# Altium PCB EBAZ4205.PcbDoc (part 1 of 6) (continued)
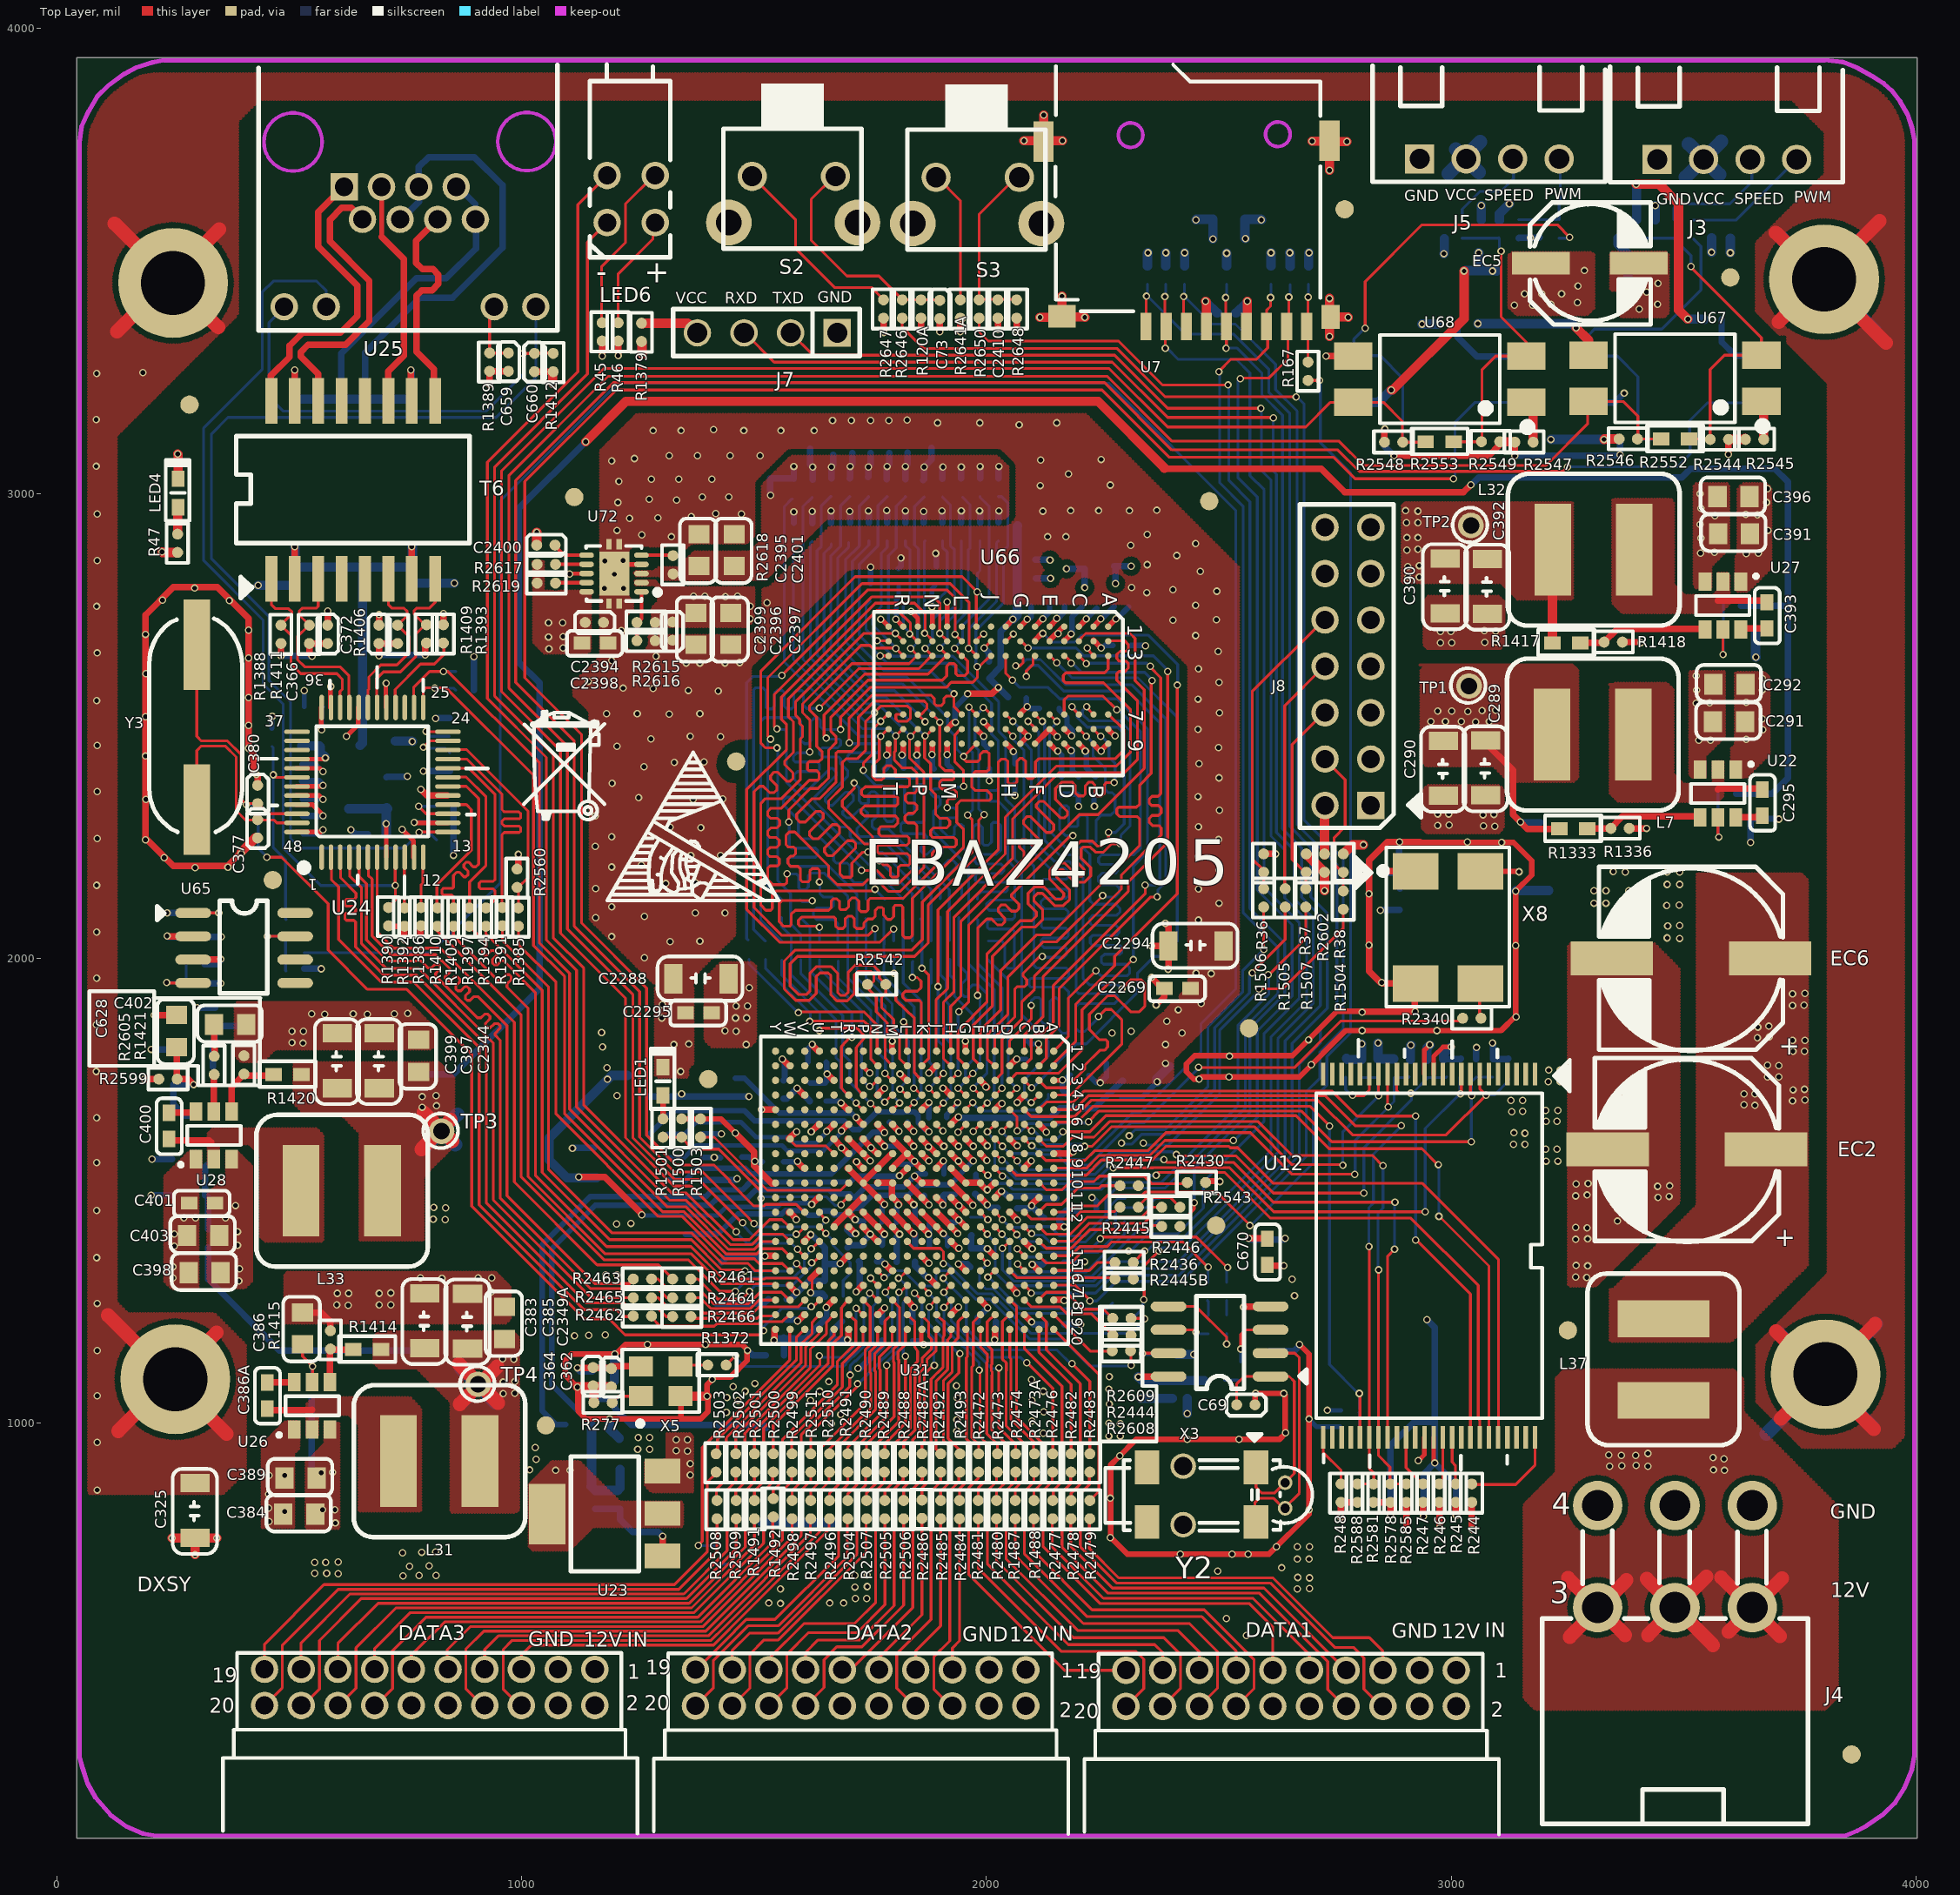
[diagram p0: Top Layer view]
## Components (designator, comment, footprint, x,y, rotation, side; value= is the part's Value field where it differs from the comment) (continued)
R2486 "22R 1%" 1 1861.22,795.28 r90 top
R2487 "NC" 1 1210.63,857.28 r270 bottom
R2487A "22R 1%" 1 1861.22,894.68 r90 top
R2488 "22R 1%" 1 1821.85,894.68 r90 top
R2489 "22R 1%" 1 1780.51,894.68 r90 top
R2490 "22R 1%" 1 1742.13,894.68 r90 top
R2491 "22R 1%" 1 1701.77,894.68 r90 top
R2492 "22R 1%" 1 1901.58,894.68 r90 top
R2493 "22R 1%" 1 1942.91,894.68 r90 top
R2496 "22R 1%" 1 1662.4,794.29 r90 top
R2497 "22R 1%" 1 1622.05,794.29 r90 top
R2498 "22R 1%" 1 1581.69,794.29 r90 top
R2499 "22R 1%" 1 1581.69,894.68 r90 top
R2500 "22R 1%" 1 1541.34,894.68 r90 top
R2501 "22R 1%" 1 1500.98,894.68 r90 top
R2502 "22R 1%" 1 1460.63,894.68 r90 top
R2503 "22R 1%" 1 1418.31,894.68 r90 top
R2504 "22R 1%" 1 1701.77,794.29 r90 top
R2505 "22R 1%" 1 1781.5,794.29 r90 top
R2506 "22R 1%" 1 1821.85,794.29 r90 top
R2507 "22R 1%" 1 1742.13,794.29 r90 top
R2508 "22R 1%" 1 1420.28,794.29 r90 top
R2509 "22R 1%" 1 1461.61,794.29 r90 top
R2510 "22R 1%" 1 1662.4,894.68 r90 top
R2511 "22R 1%" 1 1622.05,894.68 r90 top
R2512 "0R 1%" 1 2065.95,1462.6 r180 bottom
R2513 "10R 1%" 1 1600.39,1997.05 r90 bottom
R2514 "10R 1%" 1 1819.88,2087.6 r90 bottom
R2515 "10R 1%" 1 1599.41,2086.61 r90 bottom
R2516 "10R 1%" 1 1900.59,2088.58 r90 bottom
R2517 "10R 1%" 1 1524.61,1998.03 r90 bottom
R2518 "10R 1%" 1 1861.22,2088.58 r90 bottom
R2519 "10R 1%" 1 1701.77,2087.6 r90 bottom
R2520 "10R 1%" 1 1800.2,1998.03 r90 bottom
R2521 "10R 1%" 1 1680.12,1998.03 r90 bottom
R2522 "10R 1%" 1 1760.83,1998.03 r90 bottom
R2523 "10R 1%" 1 1741.14,2087.6 r90 bottom
R2524 "10R 1%" 1 1781.5,2087.6 r90 bottom
R2525 "10R 1%" 1 1840.55,1998.03 r90 bottom
R2526 "10R 1%" 1 1880.91,1998.03 r90 bottom
R2527 "10R 1%" 1 1961.61,1998.03 r90 bottom
R2528 "10R 1%" 1 1921.26,1998.03 r90 bottom
R2529 "10R 1%" 1 1981.3,2087.6 r90 bottom
R2530 "10R 1%" 1 2000.98,1999.02 r90 bottom
R2531 "10R 1%" 1 1940.95,2087.6 r90 bottom
R2532 "10R 1%" 1 1560.04,1996.06 r90 bottom
R2533 "10R 1%" 1 1559.06,2087.6 r90 bottom
R2534 "10R 1%" 1 1721.46,1998.03 r90 bottom
R2535 "10R 1%" 1 1489.17,1998.03 r90 bottom
R2536 "10R 1%" 1 1640.75,1997.05 r90 bottom
R2537 "1.2K 1%" 1 2066.93,2816.93 r0 bottom
R2538 "1.2K 1%" 1 2065.95,2933.07 r0 bottom
R2539 "20K 1%" 1 1965.55,1403.54 r90 bottom
R2540 "NC" 1 1691.93,1307.09 r180 bottom
R2541 "20K 1%" 1 1692.91,1274.61 r180 bottom
R2542 "80.5R 1%" 1 1744.09,1943.9 r0 top
R2543 "NC" 1 2376.97,1464.57 r0 top
R2544 "10K 1%" 1 3557.09,3116.14 r0 top
R2545 "10K 1%" 1 3632.87,3116.14 r0 top
R2546 "10K 1%" 1 3361.22,3117.13 r0 top
R2547 "10K 1%" 1 3136.81,3110.24 r0 top
R2548 "10K 1%" 1 2856.3,3110.24 r0 top
R2549 "10K 1%" 1 3064.96,3111.22 r0 top
R2551 "1K 1%" 1 3542.32,3375 r0 bottom
R2552 "NC" 7 3451.77,3117.13 r0 top
R2553 "NC" 7 2944.88,3111.22 r0 top
R2554 "NC" 7 3512.8,3116.14 r180 bottom
R2556 "10K 1%" 1 2856.3,3110.24 r0 bottom
R2557 "NC" 7 3007.87,3110.24 r180 bottom
R2558 "1M 5%" 43 3614.17,1604.33 r180 bottom
R2559 "1M 5%" 43 3610.24,1313.98 r180 bottom
R2560 "4.7K 1%" 1 990.16,2152.56 r90 top
R2577 "NC" 1 2802.17,1027.56 r180 bottom
R2578 "20K 1%" 1 2869.09,829.72 r90 top
R2579 "NC" 1 2807.09,1743.11 r90 bottom
R2580 "NC" 1 2912.4,1743.11 r90 bottom
R2581 "NC" 1 2832.68,829.72 r90 top
R2582 "NC" 1 2983.27,1744.09 r90 bottom
R2583 "NC" 1 3089.57,1744.09 r90 bottom
R2584 "20K 1%" 1 2802.17,992.13 r180 bottom
R2585 "NC" 1 2903.54,829.72 r90 top
R2586 "20K 1%" 1 2842.52,1744.09 r90 bottom
R2587 "20K 1%" 1 2876.97,1743.11 r90 bottom
R2588 "20K 1%" 1 2798.23,829.72 r90 top
R2590 "20K 1%" 1 3053.15,1744.09 r90 bottom
R2598 "20K 1%" 1 2947.83,1743.11 r90 bottom
R2599 "10K 1%" 1 219.49,1740.16 r0 top
R2602 "0R 1%" 1 2727.36,2185.04 r90 top
R2603 "0R 1%" 1 3573.82,2354.33 r0 bottom
R2604 "0R 1%" 1 3585.63,2757.87 r0 bottom
R2605 "0R 1%" 1 338.58,1750 r90 top
R2608 "NC" 1 2270.67,1155.51 r0 top
R2609 "NC" 1 2271.65,1225.39 r0 top
R2615 "NC" 1 1248.03,2722.44 r0 top
R2616 "NC" 1 1248.03,2683.07 r0 top
R2617 "NC" 1 1033.46,2847.44 r0 top
R2618 "NC" 1 1325.79,2826.77 r90 top
R2619 "NC" 1 1033.46,2807.09 r0 top
R2621 "NC" 1 1902.56,2897.64 r90 bottom
R2622 "NC" 1 1705.71,2993.11 r90 bottom
R2623 "NC" 1 1866.14,2992.13 r90 bottom
R2624 "NC" 1 1865.16,2897.64 r90 bottom
R2625 "NC" 1 1666.34,2993.11 r90 bottom
R2626 "NC" 1 1825.79,2897.64 r90 bottom
R2627 "NC" 1 1585.63,2897.64 r90 bottom
R2628 "NC" 1 1825.79,2993.11 r90 bottom
R2629 "NC" 1 1585.63,2992.13 r90 bottom
R2630 "NC" 1 1786.42,2897.64 r90 bottom
R2631 "NC" 1 1747.05,2897.64 r90 bottom
R2632 "NC" 1 1625,2896.65 r90 bottom
R2633 "NC" 1 1706.69,2897.64 r90 bottom
R2634 "NC" 1 1786.42,2993.11 r90 bottom
R2635 "NC" 1 1625.98,2993.11 r90 bottom
R2636 "NC" 1 1905.51,2992.13 r90 bottom
R2637 "NC" 1 1665.35,2896.65 r90 bottom
R2638 "NC" 1 1943.57,2897.64 r90 bottom
R2639 "NC" 1 2025.59,2993.11 r90 bottom
R2640 "NC" 1 2025.59,2898.62 r90 bottom
R2641 "NC" 1 1986.22,2993.11 r90 bottom
R2641A "0R 1%" 1 1943.9,3376.97 r90 top
R2642 "NC" 1 1984.58,2897.64 r90 bottom
R2643 "NC" 1 1945.87,2993.11 r90 bottom
R2644 "NC" 1 1746.06,2993.11 r90 bottom
R2645 "4.7K 1%" 1 1750.98,2766.73 r90 bottom
R2646 "0R 1%" 1 1818.9,3376.97 r90 top
R2647 "0R 1%" 1 1778.54,3376.97 r90 top
R2648 "10K 1%" 1 2064.96,3376.97 r90 top
R2650 "0R 1%" 1 1984.25,3376.97 r90 top
R2800 "10K 1%" 1 340.55,1893.7 r270 bottom
R3555 "1K 1%" 1 2973.43,3366.14 r0 bottom
S2 "6*6*5MM" 32 1445.87,3582.68 r0 top
S3 "NC" 32 1841.54,3580.71 r0 top
T6 "BT16B03" 15 461.61,2815.94 r0 top
TP1 "3V3" 30 3038.39,2585.63 r0 top
TP2 "VDD_1V5" 30 3042.32,2931.1 r0 top
TP3 "1V8" 30 827.76,1627.95 r0 top
TP4 "1V9" 30 906.5,1083.66 r0 top
U7 "NC" 16 2343.5,3359.25 r0 top
U12 "W29N01HVSINA" 14 3180.12,1750.98 r0 top
U20 "MMBT3904/1AM" 41 321.85,1567.91 r180 bottom
U21 "MMBT3904/1AM" 41 250.98,1728.35 r90 bottom
U22 "J37I" 10 3612.2,2405.51 r0 top
U23 "NC" 26 1303.15,714.57 r0 top
U24 "IP101GA" 13 569.88,2217.52 r0 top
U25 "RJ45" 35 618.11,3659.45 r0 top
U26 "J37I" 10 510.83,986.22 r180 top
U27 "J37I" 10 3623.03,2810.04 r0 top
U28 "J37I" 10 299.21,1567.91 r180 top
U30 "ACOI" 41 1546.26,699.8 r180 bottom
U31 "XC7Z010-1CLG400I" BGA400X20 2144.69,1800.2 r270 top
U65 "SGM706-SYS8" 11 293.31,2097.44 r0 top
U66 "EM6GD16EWKG-12H" BGA256X16 2261.89,2713.48 r270 top
U67 "EL817" 17 3667.32,3197.83 r0 top
U68 "EL817" 17 3161.42,3195.87 r0 top
U69 "PC817" 17 3669.29,3295.28 r0 bottom
U70 "PC817" 17 3162.4,3295.28 r0 bottom
U72 "NC" 12 1257.87,2788.39 r0 top
X3 "NC" 11 2611.22,1100.39 r180 top
X5 "NC" 25 1256.89,1058.07 r0 top
X8 "33.333MHZ" 23 2923.23,2187.01 r0 top
Y2 "NC" 27 2579.72,904.53 r0 top
Y3 "25.000MHZ" 28 301.18,2319.88 r0 top

## Footprints (in the part's own frame and the unit in brackets; to place one, negate y for a bottom-side part, rotate by r counter-clockwise, add the part's x,y. Pads: shape width x height; smd on the part's side, far side on the other; paste and mask are expansions set on the pad)
1 [mm]
  round 0.6 smd: 1(0,0) 2(1,0)
  silkscreen extent -0.58,-0.58 1.57,0.6
2 [mm]
  rect 1x1.15 smd: 1(0,0) 2(1.75,0)
  silkscreen extent -0.92,-0.95 2.6,1.05
3 [mm]
  round 0.6 smd: 1(0,0) 2(0,1)
  silkscreen extent -0.58,-0.55 0.6,1.6
6 [mm]
  rect 0.9x0.7 smd: 1(0,0) 2(1.425,0)
  silkscreen extent -0.82,-0.7 2.22,0.67
7 [mm]
  rect 0.9x0.7 smd: 1(0,0) 2(1.525,0)
  silkscreen extent -0.77,-0.67 2.3,0.72
8 [mm]
  rect 0.7x0.9 smd: 1(0,-1.55) 2(0,0)
  silkscreen extent -0.67,-2.3 0.63,1.02
9 [mm]
  rect 1x1.6 smd: 1(0,0) 2(3,0)
  silkscreen extent -0.88,-1.2 3.77,1.22
10 [mm]
  rect 0.7x1 smd: 1(0,0) 2(-0.975,0) 3(-1.95,0) 4(-1.95,-2.6) 5(-0.975,-2.6) 6(0,-2.6)
  silkscreen extent -2.45,-1.83 0.9,0.38
11 [mm]
  oval 1.95x0.55 smd: 1(0,0) 2(0,-1.275) 3(0,-2.55) 4(0,-3.825) 5(5.575,-3.825) 6(5.575,-2.55) 7(5.575,-1.275) 8(5.575,0)
  silkscreen extent -1.97,-4.4 4.05,0.68
12 [mm]
  oval 0.8x0.3 smd: 1(0,0) 2(0,0.5) 3(0,1) 4(0,1.5) 5(0,2) 6(-3,2) 7(-3,1.5) 8(-3,1) 9(-3,0.5) 10(-3,0)
  rect 0.3x0.55 smd: 11(-1.775,-0.65) 12(-1.225,-0.65) 13(-1.225,2.6) 14(-1.775,2.6)
  rect 1.65x2.4 smd: 15(-1.475,1)
  silkscreen extent -3.03,-0.5 1.02,2.5
13 [mm]
  oval 0.25x1.4 smd: 1(0,0) 2(0.505,0) 3(1.009,0) 4(1.514,0) 5(2.018,0) 6(2.523,0) 7(3.027,0) 8(3.532,0) 9(4.036,0) 10(4.541,0) 11(5.045,0) 12(5.55,0) 25(5.55,8.175) 26(5.045,8.175) 27(4.541,8.175) 28(4.036,8.175) 29(3.532,8.175) 30(3.027,8.175) 31(2.523,8.175) 32(2.018,8.175) 33(1.514,8.175) 34(1.009,8.175) 35(0.505,8.175) 36(0,8.175)
  oval 1.4x0.25 smd: 13(6.9,1.375) 14(6.9,1.873) 15(6.9,2.37) 16(6.9,2.868) 17(6.9,3.366) 18(6.9,3.864) 19(6.9,4.361) 20(6.9,4.859) 21(6.9,5.357) 22(6.9,5.855) 23(6.9,6.352) 24(6.9,6.85) 37(-1.35,6.85) 38(-1.35,6.352) 39(-1.35,5.855) 40(-1.35,5.357) 41(-1.35,4.859) 42(-1.35,4.361) 43(-1.35,3.864) 44(-1.35,3.366) 45(-1.35,2.868) 46(-1.35,2.37) 47(-1.35,1.873) 48(-1.35,1.375)
  silkscreen extent -3.47,-2.25 9.08,10.4
14 [mm]
  rect 0.25x1.25 smd: 1(0,0) 2(-0.503,0) 3(-1.007,0) 4(-1.51,0) 5(-2.013,0) 6(-2.516,0) 7(-3.02,0) 8(-3.523,0) 9(-4.026,0) 10(-4.529,0) 11(-5.033,0) 12(-5.536,0) 13(-6.039,0) 14(-6.542,0) 15(-7.046,0) 16(-7.549,0) 17(-8.052,0) 18(-8.555,0) 19(-9.059,0) 20(-9.562,0) 21(-10.065,0) 22(-10.568,0) 23(-11.072,0) 24(-11.575,0) 25(-11.575,-19.85) 26(-11.072,-19.85) 27(-10.568,-19.85) 28(-10.065,-19.85) 29(-9.562,-19.85) 30(-9.059,-19.85) 31(-8.555,-19.85) 32(-8.052,-19.85) 33(-7.549,-19.85) 34(-7.046,-19.85) 35(-6.542,-19.85) 36(-6.039,-19.85) 37(-5.536,-19.85) 38(-5.033,-19.85) 39(-4.529,-19.85) 40(-4.026,-19.85) 41(-3.523,-19.85) 42(-3.02,-19.85) 43(-2.516,-19.85) 44(-2.013,-19.85) 45(-1.51,-19.85) 46(-1.007,-19.85) 47(-0.503,-19.85) 48(0,-19.85)
  silkscreen extent -11.95,-21.63 1.9,1.87
15 [mm]
  rect 0.65x2.5 smd: 1(0,0) 2(1.279,0) 3(2.557,0) 4(3.836,0) 5(5.114,0) 6(6.393,0) 7(7.671,0) 8(8.95,0) 9(8.95,9.725) 10(7.671,9.725) 11(6.393,9.725) 12(5.114,9.725) 13(3.836,9.725) 14(2.557,9.725) 15(1.279,9.725) 16(0,9.725)
  silkscreen extent -1.92,-1.05 10.82,7.8
16 [mm]
  rect 0.6x1.5 smd: 1(0,0) 2(1.097,0) 3(2.194,0) 4(3.291,0) 5(4.387,0) 6(5.484,0) 7(6.581,0) 8(7.678,0) 9(8.775,0)
  rect 1x1.3 smd: 10(10.075,0.525)
  rect 1.1x2.2 smd: 11(10.025,10.15) 12(-5.6,10.1)
  rect 1.5x1.25 smd: 13(-4.6,0.55)
  silkscreen extent -4.95,0.82 9.53,14.3
17 [mm]
  rect 2.1x1.5 smd: 1(0,0) 2(0,2.525) 3(-9.45,2.525) 4(-9.45,0)
  silkscreen extent -8,-1.54 0.25,3.67
21 [mm]
  rect 2x5 smd: 1(0,0) 2(4.45,0)
  silkscreen extent -2.45,-4.15 6.93,4.15
23 [mm]
  rect 2.5x2 smd: 1(0,0) 2(0,-6.125) 3(3.55,-6.125) 4(3.55,0)
  silkscreen extent -3.27,-7.4 5.12,1.3
24 [mm]
  rect 4.5x1.85 smd: 1(0,0) 2(-8.65,0)
  silkscreen extent -9.35,-5.05 0.7,5
25 [mm]
  rect 1.3x1.1 smd: 1(0,0) 2(0,1.625) 3(2.15,1.625) 4(2.15,0)
  silkscreen extent -1.02,-1.63 3.17,2.55
26 [mm]
  rect 1.95x1.35 smd: 1(0,0) 2(0,2.312) 3(0,4.625)
  rect 2x3.3 smd: 4(-6.3,2.275)
  silkscreen extent -5,-0.85 -1.3,5.43
27 [mm]
  rect 1.35x1.85 smd: 1(0,0) 2(0,-2.975) 3(-5.95,-2.975) 4(-5.95,0)
  round 1.4 hole 1: 5(-3.975,0.075) 6(-3.975,-3.125)
  round 0.8 hole 0.5: 7(1.6,-2.225) 8(1.6,-0.825)
  silkscreen extent -8.23,-3.45 3.09,1.83
28 [mm]
  rect 1.45x4.95 smd: 1(0,0) 2(0,9)
  silkscreen extent -2.6,-1.22 2.47,10.43
29 [mm]
  rect 3.15x1.25 smd: 1(0,0) 2(5.35,0)
  silkscreen extent -0.6,-3.35 6,3.32
30 [mm]
  round 1.4 hole 0.9: 1(0,0)
  silkscreen extent -1,-0.92 0.9,0.97
31 [mm]
  rect 1.6x1.6 / inner round 1.6 / far side rect 1.6x1.6 hole 1.1: 1(0,0)
  round 1.6 hole 1.1: 2(2.542,0) 3(5.083,0) 4(7.625,0)
  silkscreen extent -2.57,-1.25 10.15,5.07
32 [mm]
  round 2.5 hole 1.4: 1(0,0) 2(7.025,0)
  round 1.6 hole 1.1: 3(5.825,2.525) 4(1.275,2.525)
  silkscreen extent -0.3,-1.43 7.25,7.6
33 [mm]
  rect 1.5x1.5 / inner round 1.5 / far side rect 1.5x1.5 hole 1.1: 1(0,0)
  round 1.5 hole 1.1: 2(-2.55,0) 3(-5.1,0) 4(-7.65,0)
  silkscreen extent -8.97,-1.28 1.23,1.3
34 [mm]
  round 1.5 hole 1: 1(0,0) 2(0,2.575) 3(-2.625,2.575) 4(-2.625,0)
  silkscreen extent -3.58,-1.9 0.82,8.62
35 [mm]
  rect 1.5x1.5 / inner round 1.5 / far side rect 1.5x1.5 hole 1: 1(0,0)
  round 1.5 hole 1: 2(1,-1.775) 3(2.042,0) 4(3.058,-1.775) 5(4.083,0) 6(5.117,-1.775) 7(6.125,0) 8(7.175,-1.775) 9(10.475,-6.55) 10(8.2,-6.55) 11(-0.975,-6.55) 12(-3.275,-6.55)
  Keep-Out Layer circle w0.2: c-2.791,2.45 r1.591
  Keep-Out Layer circle w0.2: c9.984,2.475 r1.591
  silkscreen extent -4.67,-7.85 11.65,6.65
36 [mm]
  rect 1.5x1.5 hole 1: 1(0,0)
  round 1.5 hole 1: 2(-2.5,0) 3(0,2.533) 4(-2.5,2.533) 5(0,5.067) 6(-2.5,5.067) 7(0,7.6) 8(-2.5,7.6) 9(0,10.133) 10(-2.5,10.133) 11(0,12.667) 12(-2.5,12.667) 13(0,15.2) 14(-2.5,15.2)
  silkscreen extent -3.88,-1.23 2.75,16.45
37 [mm]
  round 1.5 hole 1: 1(0,0) 2(0,-1.975) 3(-2.006,0) 4(-2.006,-1.975) 5(-4.011,0) 6(-4.011,-1.975) 7(-6.017,0) 8(-6.017,-1.975) 9(-8.022,0) 10(-8.022,-1.975) 11(-10.028,0) 12(-10.028,-1.975) 13(-12.033,0) 14(-12.033,-1.975) 15(-14.039,0) 16(-14.039,-1.975) 17(-16.044,0) 18(-16.044,-1.975) 19(-18.05,0) 20(-18.05,-1.975)
  silkscreen extent -20.32,-8.97 2.33,0.9
38 [mm]
  round 2.7 hole 1.7: 1(0,0) 2(0,5.575) 3(-4.225,0) 4(-4.225,5.575) 5(-8.45,0) 6(-8.45,5.575)
  silkscreen extent -11.47,-11.83 3.05,4.2
39 [mm]
  rect 1.3x0.9 smd: 1(0,0) 2(0,-1.875)
  silkscreen extent -0.95,-2.6 0.88,0.65
40 [mm]
  rect 0.7x0.9 smd: 1(0,0) 2(0,-1.575)
  silkscreen extent -0.8,-2.22 0.7,0.77
41 [mm]
  rect 0.95x1.35 smd: 1(0,0) 2(1.875,0) 3(0.975,2.15)
  silkscreen extent -0.8,0.2 2.5,1.9
42 [mm]
  rect 2.75x3.85 smd: 1(0,0) 2(8.025,0)
  silkscreen extent -1.78,-3.08 9.95,3.03
43 [mm]
  rect 1.1x1.7 smd: 1(0,0) 2(3.025,0)
  silkscreen extent -0.85,-1.27 3.85,1.13
44 [mm]
  rect 1.1x1.7 smd: 1(0,0) 2(3.025,0)
  silkscreen extent -0.82,-1.27 3.82,1.12
BGA256X16 [mm]
  round 0.35 smd: A1(0,0) A2(0.8,0) A3(1.6,0) A7(4.8,0) A8(5.6,0) A9(6.4,0) B1(0,-0.8) B2(0.8,-0.8) B3(1.6,-0.8) B7(4.8,-0.8) B8(5.6,-0.8) B9(6.4,-0.8) C1(0,-1.6) C2(0.8,-1.6) C3(1.6,-1.6) C7(4.8,-1.6) C8(5.6,-1.6) C9(6.4,-1.6) D1(0,-2.4) D2(0.8,-2.4) D3(1.6,-2.4) D7(4.8,-2.4) D8(5.6,-2.4) D9(6.4,-2.4) E1(0,-3.2) E2(0.8,-3.2) E3(1.6,-3.2) E7(4.8,-3.2) E8(5.6,-3.2) E9(6.4,-3.2) F1(0,-4) F2(0.8,-4) F3(1.6,-4) F7(4.8,-4) F8(5.6,-4) F9(6.4,-4) G1(0,-4.8) G2(0.8,-4.8) G3(1.6,-4.8) G7(4.8,-4.8) G8(5.6,-4.8) G9(6.4,-4.8) H1(0,-5.6) H2(0.8,-5.6) H3(1.6,-5.6) H7(4.8,-5.6) H8(5.6,-5.6) H9(6.4,-5.6) J1(0,-6.4) J2(0.8,-6.4) J3(1.6,-6.4) J7(4.8,-6.4) J8(5.6,-6.4) J9(6.4,-6.4) K1(0,-7.2) K2(0.8,-7.2) K3(1.6,-7.2) K7(4.8,-7.2) K8(5.6,-7.2) K9(6.4,-7.2) L1(0,-8) L2(0.8,-8) L3(1.6,-8) L7(4.8,-8) L8(5.6,-8) L9(6.4,-8) M1(0,-8.8) M2(0.8,-8.8) M3(1.6,-8.8) M7(4.8,-8.8) M8(5.6,-8.8) M9(6.4,-8.8) N1(0,-9.6) N2(0.8,-9.6) N3(1.6,-9.6) N7(4.8,-9.6) N8(5.6,-9.6) N9(6.4,-9.6) P1(0,-10.4) P2(0.8,-10.4) P3(1.6,-10.4) P7(4.8,-10.4) P8(5.6,-10.4) P9(6.4,-10.4) R1(0,-11.2) R2(0.8,-11.2) R3(1.6,-11.2) R7(4.8,-11.2) R8(5.6,-11.2) R9(6.4,-11.2) T1(0,-12) T2(0.8,-12) T3(1.6,-12) T7(4.8,-12) T8(5.6,-12) T9(6.4,-12)
  silkscreen extent -0.8,-12.8 8.13,0.8
BGA400X20 [mm]
  round 0.4 smd: A1(0,0) A2(0.8,0) A3(1.6,0) A4(2.4,0) A5(3.2,0) A6(4,0) A7(4.8,0) A8(5.6,0) A9(6.4,0) A10(7.2,0) A11(8,0) A12(8.8,0) A13(9.6,0) A14(10.4,0) A15(11.2,0) A16(12,0) A17(12.8,0) A18(13.6,0) A19(14.4,0) A20(15.2,0) B1(0,-0.8) B2(0.8,-0.8) B3(1.6,-0.8) B4(2.4,-0.8) B5(3.2,-0.8) B6(4,-0.8) B7(4.8,-0.8) B8(5.6,-0.8) B9(6.4,-0.8) B10(7.2,-0.8) B11(8,-0.8) B12(8.8,-0.8) B13(9.6,-0.8) B14(10.4,-0.8) B15(11.2,-0.8) B16(12,-0.8) B17(12.8,-0.8) B18(13.6,-0.8) B19(14.4,-0.8) B20(15.2,-0.8) C1(0,-1.6) C2(0.8,-1.6) C3(1.6,-1.6) C4(2.4,-1.6) C5(3.2,-1.6) C6(4,-1.6) C7(4.8,-1.6) C8(5.6,-1.6) C9(6.4,-1.6) C10(7.2,-1.6) C11(8,-1.6) C12(8.8,-1.6) C13(9.6,-1.6) C14(10.4,-1.6) C15(11.2,-1.6) C16(12,-1.6) C17(12.8,-1.6) C18(13.6,-1.6) C19(14.4,-1.6) C20(15.2,-1.6) D1(0,-2.4) D2(0.8,-2.4) D3(1.6,-2.4) D4(2.4,-2.4) D5(3.2,-2.4) D6(4,-2.4) D7(4.8,-2.4) D8(5.6,-2.4) D9(6.4,-2.4) D10(7.2,-2.4) D11(8,-2.4) D12(8.8,-2.4) D13(9.6,-2.4) D14(10.4,-2.4) D15(11.2,-2.4) D16(12,-2.4) D17(12.8,-2.4) D18(13.6,-2.4) D19(14.4,-2.4) D20(15.2,-2.4) E1(0,-3.2) E2(0.8,-3.2) E3(1.6,-3.2) E4(2.4,-3.2) E5(3.2,-3.2) E6(4,-3.2) E7(4.8,-3.2) E8(5.6,-3.2) E9(6.4,-3.2) E10(7.2,-3.2) E11(8,-3.2) E12(8.8,-3.2) E13(9.6,-3.2) E14(10.4,-3.2) E15(11.2,-3.2) E16(12,-3.2) E17(12.8,-3.2) E18(13.6,-3.2) E19(14.4,-3.2) E20(15.2,-3.2) F1(0,-4) F2(0.8,-4) F3(1.6,-4) F4(2.4,-4) F5(3.2,-4) F6(4,-4) F7(4.8,-4) F8(5.6,-4) F9(6.4,-4) F10(7.2,-4) F11(8,-4) F12(8.8,-4) F13(9.6,-4) F14(10.4,-4) F15(11.2,-4) F16(12,-4) F17(12.8,-4) F18(13.6,-4) F19(14.4,-4) F20(15.2,-4) G1(0,-4.8) G2(0.8,-4.8) G3(1.6,-4.8) G4(2.4,-4.8) G5(3.2,-4.8) G6(4,-4.8) G7(4.8,-4.8) G8(5.6,-4.8) G9(6.4,-4.8) G10(7.2,-4.8) G11(8,-4.8) G12(8.8,-4.8) G13(9.6,-4.8) G14(10.4,-4.8) G15(11.2,-4.8) G16(12,-4.8) G17(12.8,-4.8) G18(13.6,-4.8) G19(14.4,-4.8) G20(15.2,-4.8) H1(0,-5.6) H2(0.8,-5.6) H3(1.6,-5.6) H4(2.4,-5.6) H5(3.2,-5.6) H6(4,-5.6) H7(4.8,-5.6) H8(5.6,-5.6) H9(6.4,-5.6) H10(7.2,-5.6) H11(8,-5.6) H12(8.8,-5.6) H13(9.6,-5.6) H14(10.4,-5.6) H15(11.2,-5.6) H16(12,-5.6) H17(12.8,-5.6) H18(13.6,-5.6) H19(14.4,-5.6) H20(15.2,-5.6) J1(0,-6.4) J2(0.8,-6.4) J3(1.6,-6.4) J4(2.4,-6.4) J5(3.2,-6.4) J6(4,-6.4) J7(4.8,-6.4) J8(5.6,-6.4) J9(6.4,-6.4) J10(7.2,-6.4) J11(8,-6.4) J12(8.8,-6.4) J13(9.6,-6.4) J14(10.4,-6.4) J15(11.2,-6.4) J16(12,-6.4) J17(12.8,-6.4) J18(13.6,-6.4) J19(14.4,-6.4) J20(15.2,-6.4) K1(0,-7.2) K2(0.8,-7.2) K3(1.6,-7.2) K4(2.4,-7.2) K5(3.2,-7.2) K6(4,-7.2) K7(4.8,-7.2) K8(5.6,-7.2) K9(6.4,-7.2) K10(7.2,-7.2) K11(8,-7.2) K12(8.8,-7.2) K13(9.6,-7.2) K14(10.4,-7.2) K15(11.2,-7.2) K16(12,-7.2) K17(12.8,-7.2) K18(13.6,-7.2) K19(14.4,-7.2) K20(15.2,-7.2) L1(0,-8) L2(0.8,-8) L3(1.6,-8) L4(2.4,-8) L5(3.2,-8) L6(4,-8) L7(4.8,-8) L8(5.6,-8) L9(6.4,-8) L10(7.2,-8) L11(8,-8) L12(8.8,-8) L13(9.6,-8) L14(10.4,-8) L15(11.2,-8) L16(12,-8) L17(12.8,-8) L18(13.6,-8) L19(14.4,-8) L20(15.2,-8) M1(0,-8.8) M2(0.8,-8.8) M3(1.6,-8.8) M4(2.4,-8.8) M5(3.2,-8.8) M6(4,-8.8) M7(4.8,-8.8) M8(5.6,-8.8) M9(6.4,-8.8) M10(7.2,-8.8) M11(8,-8.8) M12(8.8,-8.8) M13(9.6,-8.8) M14(10.4,-8.8) M15(11.2,-8.8) M16(12,-8.8) M17(12.8,-8.8) M18(13.6,-8.8) M19(14.4,-8.8) M20(15.2,-8.8) N1(0,-9.6) N2(0.8,-9.6) N3(1.6,-9.6) N4(2.4,-9.6) N5(3.2,-9.6) N6(4,-9.6) N7(4.8,-9.6) N8(5.6,-9.6) N9(6.4,-9.6) N10(7.2,-9.6) N11(8,-9.6) N12(8.8,-9.6) N13(9.6,-9.6) N14(10.4,-9.6) N15(11.2,-9.6) N16(12,-9.6) N17(12.8,-9.6) N18(13.6,-9.6) N19(14.4,-9.6) N20(15.2,-9.6) P1(0,-10.4) P2(0.8,-10.4) P3(1.6,-10.4) P4(2.4,-10.4) P5(3.2,-10.4) P6(4,-10.4) P7(4.8,-10.4) P8(5.6,-10.4) P9(6.4,-10.4) P10(7.2,-10.4) P11(8,-10.4) P12(8.8,-10.4) P13(9.6,-10.4) P14(10.4,-10.4) P15(11.2,-10.4) P16(12,-10.4) P17(12.8,-10.4) P18(13.6,-10.4) P19(14.4,-10.4) P20(15.2,-10.4) R1(0,-11.2) R2(0.8,-11.2) R3(1.6,-11.2) R4(2.4,-11.2) R5(3.2,-11.2) R6(4,-11.2) R7(4.8,-11.2) R8(5.6,-11.2) R9(6.4,-11.2) R10(7.2,-11.2) R11(8,-11.2) R12(8.8,-11.2) R13(9.6,-11.2) R14(10.4,-11.2) R15(11.2,-11.2) R16(12,-11.2) R17(12.8,-11.2) R18(13.6,-11.2) R19(14.4,-11.2) R20(15.2,-11.2) T1(0,-12) T2(0.8,-12) T3(1.6,-12) T4(2.4,-12) T5(3.2,-12) T6(4,-12) T7(4.8,-12) T8(5.6,-12) T9(6.4,-12) T10(7.2,-12) T11(8,-12) T12(8.8,-12) T13(9.6,-12) T14(10.4,-12) T15(11.2,-12) T16(12,-12) T17(12.8,-12) T18(13.6,-12) T19(14.4,-12) T20(15.2,-12) U1(0,-12.8) U2(0.8,-12.8) U3(1.6,-12.8) U4(2.4,-12.8) U5(3.2,-12.8) U6(4,-12.8) U7(4.8,-12.8) U8(5.6,-12.8) U9(6.4,-12.8) U10(7.2,-12.8) U11(8,-12.8) U12(8.8,-12.8) U13(9.6,-12.8) U14(10.4,-12.8) U15(11.2,-12.8) U16(12,-12.8) U17(12.8,-12.8) U18(13.6,-12.8) U19(14.4,-12.8) U20(15.2,-12.8) V1(0,-13.6) V2(0.8,-13.6) V3(1.6,-13.6) V4(2.4,-13.6) V5(3.2,-13.6) V6(4,-13.6) V7(4.8,-13.6) V8(5.6,-13.6) V9(6.4,-13.6) V10(7.2,-13.6) V11(8,-13.6) V12(8.8,-13.6) V13(9.6,-13.6) V14(10.4,-13.6) V15(11.2,-13.6) V16(12,-13.6) V17(12.8,-13.6) V18(13.6,-13.6) V19(14.4,-13.6) V20(15.2,-13.6) W1(0,-14.4) W2(0.8,-14.4) W3(1.6,-14.4) W4(2.4,-14.4) W5(3.2,-14.4) W6(4,-14.4) W7(4.8,-14.4) W8(5.6,-14.4) W9(6.4,-14.4) W10(7.2,-14.4) W11(8,-14.4) W12(8.8,-14.4) W13(9.6,-14.4) W14(10.4,-14.4) W15(11.2,-14.4) W16(12,-14.4) W17(12.8,-14.4) W18(13.6,-14.4) W19(14.4,-14.4) W20(15.2,-14.4) Y1(0,-15.2) Y2(0.8,-15.2) Y3(1.6,-15.2) Y4(2.4,-15.2) Y5(3.2,-15.2) Y6(4,-15.2) Y7(4.8,-15.2) Y8(5.6,-15.2) Y9(6.4,-15.2) Y10(7.2,-15.2) Y11(8,-15.2) Y12(8.8,-15.2) Y13(9.6,-15.2) Y14(10.4,-15.2) Y15(11.2,-15.2) Y16(12,-15.2) Y17(12.8,-15.2) Y18(13.6,-15.2) Y19(14.4,-15.2) Y20(15.2,-15.2)
  silkscreen extent -0.8,-16 16,0.8

## Free pads (board coordinates)
  round 236.22 hole 137.8: 1(3802.17,3460.63)
  round 236.22 hole 137.79: 2(3805.12,1105.31) 3(254.92,1094.49) 4(250,3452.76)
  round 39.37 smd far side: ""(238.19,404.53) ""(286.42,3187.99) ""(3603.35,3468.5) ""(3871.06,295.28)
  round 39.37 smd: ""(285.43,3190.94) ""(464.57,2168.31) ""(1052.17,995.08) ""(1113.19,2992.13) ""(1401.58,1740.16) ""(1461.61,2423.23) ""(2479.33,2983.27) ""(2494.09,1425.2) ""(2564.96,1849.41) ""(2770.67,3611.22) ""(3250.98,1199.8) ""(3600.39,3464.57) ""(3861.22,287.4)

## Via types
v1: diameter 16, hole 10, Top Layer to Bottom Layer, 1172 vias
v2: diameter 16, hole 10, Top Layer to Bottom Layer, tented both sides, 70 vias

## Nets (pads, with @x,y where several pads share a name; then routed paths per layer and width w, separated by ;. In a path a pad name is that pad's centre, name@x,y a point inside that pad or via, vN(x,y) a via of type N, cw(c..) or ccw(c..) an arc to the next point about the centre after c; other vN are vias at no path point)
#CE_0: R1359.1 U12.9 U31.E6 | length 1448.5
  Top Layer w6: v1@2000.98,1626.97 v1(2002.07,1626.97) U31.E6@2018.08,1642.98 ; v1@2270.67,1550.2 2271.65,1549.21 v1(2272.64,1549.21) 2358.28,1549.21 2358.53,1549.46 2523.37,1549.46 2618.11,1454.72 v1(2943.9,1454.72) ; v1(3019.69,1708.66) 3021.61,1710.59 U12.9@3021.61,1750.98
  Bottom Layer w6: v1(2002.07,1626.97) 2002.07,1624.9 2017.72,1609.25 2017.72,1555.12 2025.34,1547.5 2041.71,1547.5 2064.09,1525.12 2238.7,1525.12 2261.81,1548.23 v1@2269.69,1548.23 ; v1(2943.9,1454.72) 2943.9,1633.86 v1@3018.7,1708.66 ; v1@3018.7,1712.6 R1359.1@3018.7,1744.09
#RE_0: R2583.1 R2590.1 U12.8 U31.D5 | length 1303.5
  Top Layer w6: U31.D5@2049.73,1674.42 2065.95,1658.21 v1@2065.95,1626.97 ; v1@2219.49,1647.64 v1(2219.49,1648.62) 2242.28,1671.42 2677.01,1671.42 2743.11,1605.31 v1(3043.31,1605.31) ; U12.8@3041.42,1750.98 3041.42,1707.59 v1(3044.29,1704.72)
  Bottom Layer w6: v1(2065.95,1628.53) 2074.81,1628.53 2090.81,1644.53 2104.07,1644.53 2106.87,1641.73 2154.53,1641.73 2158.46,1645.67 v1@2219.49,1645.67 ; v1(3043.31,1605.31) 3043.31,1734.25 R2590.1@3053.15,1744.09 ; R2590.1@3055.12,1744.09 R2583.1@3089.57,1744.09
#WE_0: R2579.1 R2586.1 U12.18 U31.D6 | length 1124
  Top Layer w6: v1(2033.46,1627.95) 2048.49,1642.98 U31.D6@2049.73,1642.98 ; v1@2211.61,1590.55 2216.54,1595.47 2227.36,1595.47 2269.69,1637.79 2575.79,1637.79 2657.48,1556.1 2765.75,1556.1 v1(2766.73,1555.12) ; v1@2212,1593 v1@2212,1593.98 ; U12.18@2843.29,1750.98 2843.29,1704.94 v1(2843.5,1704.72)
  Bottom Layer w6: v1(2033.46,1627.95) 2033.46,1625.98 2046.91,1612.53 2059.42,1612.53 2104.17,1612.53 2117.3,1599.41 2180.13,1599.41 2180.38,1599.66 2204.47,1599.66 v1@2209.65,1594.49 ; v1(2766.73,1555.12) 2766.73,1626.97 2842.52,1702.76 R2586.1@2842.52,1744.09 ; R2579.1@2807.09,1743.11 R2586.1@2840.55,1743.11
  other v1: 2211.61,1595.47
ALE_0: R2580.1 R2587.1 U12.17 U31.B8 | length 1090.6
  Top Layer w6: U31.B8@2113.03,1580.09 2123.03,1570.09 2123.03,1569.88 2127.95,1564.96 2211.61,1564.96 2232.6,1585.94 2346.77,1585.94 2385.83,1625 2567.91,1625 2657.48,1535.43 v1(2792.32,1535.43) ; U12.17@2863.1,1750.98 2863.1,1681.19 v1(2864.17,1680.12)
  Bottom Layer w6: v1@2793.31,1539.37 2793.31,1608.27 2876.97,1691.93 R2587.1@2876.97,1743.11 2907.48,1743.11 R2580.1@2909.45,1745.08
CLE_0: R2582.1 R2598.1 U12.16 U31.D8 | length 1244.7
  Top Layer w6: U31.D8@2049.73,1580.09 2065.84,1563.98 v1(2065.95,1563.98) ; v1@2407.48,1574.8 2537.4,1574.8 2617.13,1495.08 v1(2812.01,1495.08) ; U12.16@2882.92,1750.98 2882.92,1714.52 2887.8,1709.65 v1(2913.39,1709.65)
  Bottom Layer w6: v1(2065.95,1563.98) 2065.95,1561.02 2081.85,1545.12 2229.17,1545.12 2267.72,1583.66 2399.61,1583.66 v1@2407.48,1575.79 ; v1(2812.01,1495.08) 2812.01,1592.52 2914.37,1694.88 v1@2914.37,1708.66 ; v1@2916.34,1709.65 R2598.1@2948.82,1742.13 ; R2598.1@2947.83,1743.11 2988.19,1743.11 R2582.1@2990.16,1745.08
  other v1: 2408.46,1577.76
CLK_0: R2340.1 U31.E7 | length 1162.3
  Top Layer w6: U31.E7@2018.08,1611.53 2034.14,1595.47 v1(2034.45,1595.47) ; v1(2456.69,1765.75) 2457.68,1764.76 2662.4,1764.76 2762.8,1865.16 3018.7,1865.16 R2340.1@3024.61,1871.06
  Bottom Layer w6: v1@2034.45,1592.52 v1(2034.45,1595.47) 2049.95,1579.98 2103.08,1579.98 2105.46,1577.6 2152.72,1577.6 2175.2,1555.12 2219.49,1555.12 2311.02,1646.65 2339.57,1646.65 v1@2455.71,1762.79
DATA1-5_0: R2479.2 U31.A20 | length 416.6
  Top Layer w6: U31.A20@2144.69,1201.77 2242.13,1104.33 2242.13,853.35 R2479.2@2222.44,833.66